# KiCad board MLU_BreakoutV2.kicad_pcb (continued)
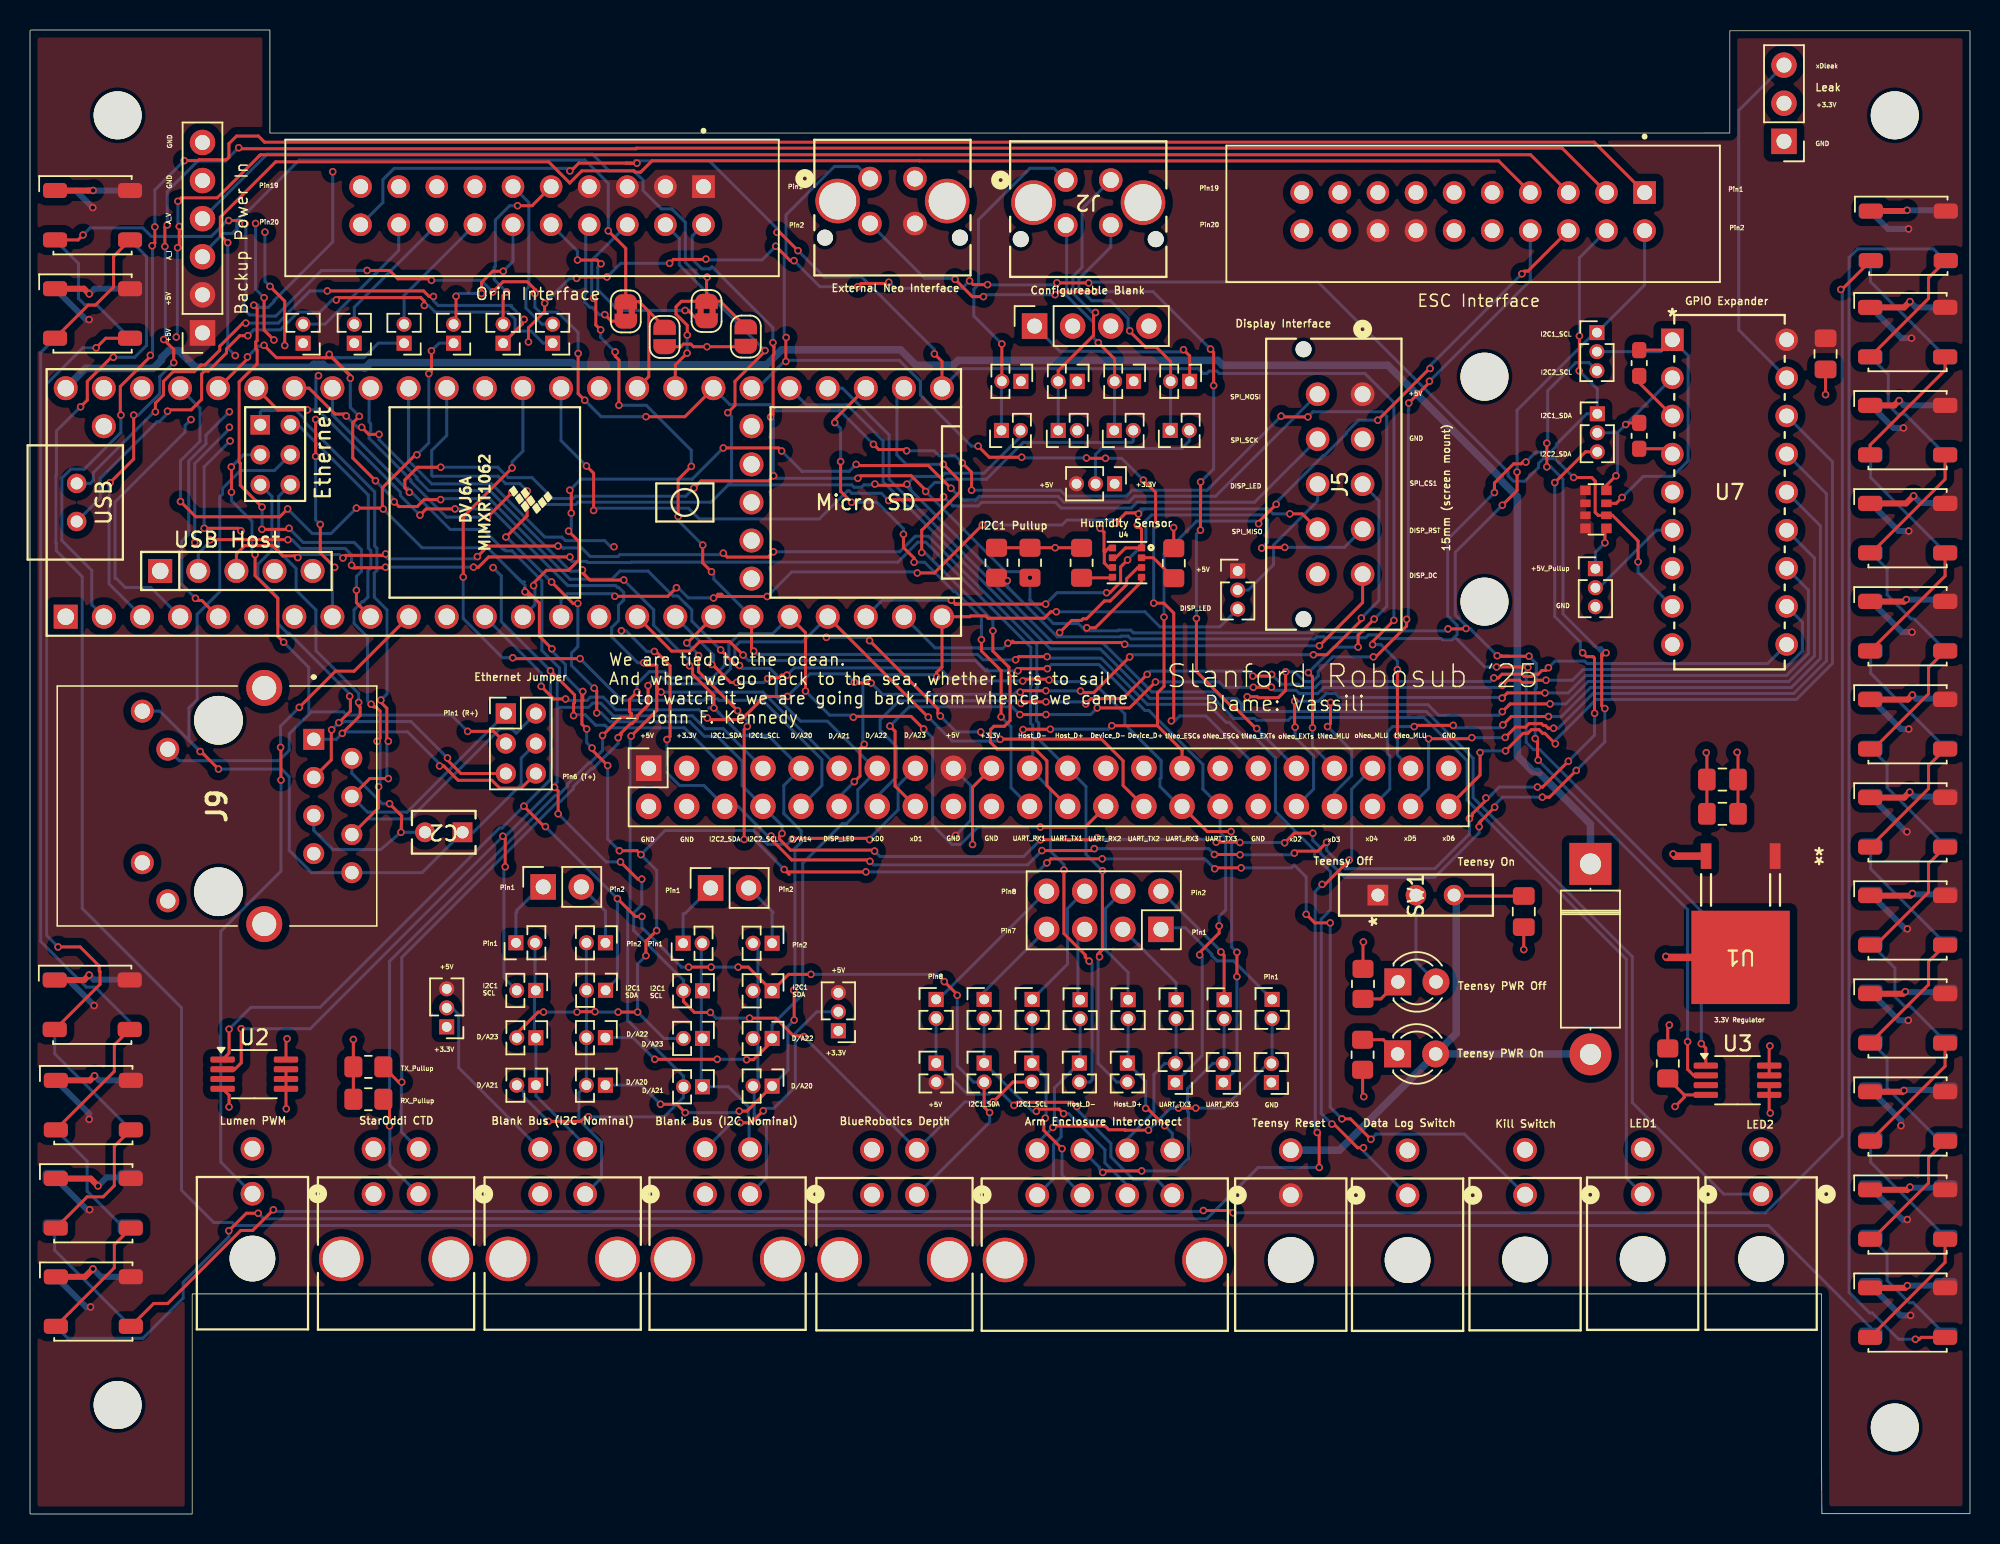
[diagram p0: board, top side]
## Routing (per net, layer and track width the routed paths; a pad name or vN(x,y) marks a point on that pad's centre or on a via; arc(x,y) is an arc through that point) (continued)
SPI_SCK: length 61.2
  Top w0.2: v1(57.24,67.58) 57.3,67.63 60.7,67.63 v1(60.9,67.84) ; v1(37.09,69.89) 37.57,69.41 v1(37.57,66.92)
  Bottom w0.2: v1(60.9,67.84) 61.52,67.22 63.21,67.22 63.45,67.46 68.37,67.46 68.75,67.08 73.42,67.08 73.81,67.47 81.64,67.47 J5.7 ; v1(57.24,67.58) 56.76,68.07 54.77,68.07 54.61,68.23 54.5,68.23 52.63,66.35 44.61,66.35 43.9,67.07 37.72,67.07 v1(37.57,66.92) ; U6.35 35.4,71.58 v1(37.09,69.89)
T+: length 36.7
  Top w0.2: v1(21.91,54.12) 21.91,53.89 22.01,53.79 22.01,53.25 v1(20.82,52.06) ; J10.6 32.75,48.4 31.32,48.4 30.8,48.93 28.54,48.93 27.59,49.88 v1(27.3,49.88)
  Bottom w0.2: U6.63 16.58,67.86 16.58,64.21 17.74,63.04 17.74,61.61 19.06,60.29 19.06,57.57 21.91,54.72 v1(21.91,54.12) ; J9.1 20.42,51.66 v1(20.82,52.06) 20.92,52.16 25.17,52.16 27.3,50.03 v1(27.3,49.88)
T-: length 36.3
  Top w0.2: J9.3 20.08,50.29 20.08,52.27 v1(20.11,52.29) ; J10.5 28.73,49.38 27.83,50.27 v1(27.83,50.41) ; v1(21.31,54.53) 21.36,54.48 21.36,53.54 v1(20.59,52.77)
  Bottom w0.2: v1(21.31,54.53) 21.31,54.69 17.26,58.73 17.17,58.73 16.52,59.38 16.52,61.11 15.2,62.43 15.2,63.34 16.13,64.27 16.13,67.86 U6.62 ; v1(20.59,52.77) v1(20.11,52.29) ; 20.86,52.77 20.92,52.84 25.41,52.84 v1(27.83,50.41)
Teensy_5V: length 130.8
  Bottom w0.5: D1.1 104.03,46 100.52,49.52 100.2,49.52 99.16,50.55 99.16,67.83 97.99,69 97.99,69.15 90.52,76.61 79.51,76.61 79.19,76.93 61.88,76.93 61.56,76.61 59.06,76.61 58.04,77.63 50.11,77.63 49.11,76.64 36.3,76.64 36.16,76.78 22.7,76.78 ; 22.7,76.78 22.38,76.46 19.75,76.46 19.54,76.66 18.92,76.66 18.72,76.46 11.03,76.46 9.91,77.58 9.25,77.58 8.77,77.1 8.77,76.95 8.21,76.39 3.7,76.39 U6.48 ; 22.7,76.78 22.32,76.39
toNEO_CTRL_ESCs: length 102.8
  Top w0.2: v1(93.34,76.39) 93.3,76.39 v1(89.85,72.94) ; v1(83.08,67.33) 81.91,66.16 v1(81.91,66.04) ; 75.16,52.57 76.8,50.93 J8.29 ; 75.16,52.57 75.16,54.75 75.6,55.19 v1(75.6,59.81) ; 75.16,52.57 v1(72.12,52.57) ; v1(55.97,58.24) 60.52,53.69 60.52,53.38 v1(60.69,53.21) ; J7.6 99.86,82.88 99.64,82.88 v1(99.46,82.7) ; v1(68.02,52.33) 66.22,52.33 v1(66.2,52.31)
  In2.Cu w0.2: v1(53.09,58.46) 44.3,58.46 43.99,58.77 43.49,58.77 42.97,58.25 29.36,58.25 U6.11 ; v1(66.2,52.31) 63.54,52.31 v1(63.38,52.15)
  Bottom w0.2: v1(83.08,67.33) 83.08,67.45 86.22,70.58 86.29,70.58 87.76,72.04 87.76,72.12 88.57,72.94 v1(89.85,72.94) ; v1(53.09,58.46) 55.75,58.46 v1(55.97,58.24) ; v1(72.12,52.57) 71.89,52.34 68.03,52.34 v1(68.02,52.33) ; v1(99.46,82.7) 93.34,76.58 v1(93.34,76.39) ; v1(81.91,66.04) 81.74,66.21 77.78,66.21 75.6,64.03 v1(75.6,59.81) ; v1(60.69,53.21) 61.75,52.15 v1(63.38,52.15)
toNEO_CTRL_EXTs: length 72.3
  Top w0.2: v1(74.23,68.94) 75.04,68.13 v1(75.04,65.97) ; v1(74.91,60.74) 75.59,60.74 76.25,60.08 76.25,53.05 v1(76.09,52.89) ; v1(50.39,76.85) 50.39,78.43 v1(50.41,78.46) ; v1(70.43,70.42) 70.45,70.4 v1(71.7,70.4) ; v1(66.11,70.47) 63.95,70.47 v1(63.21,71.21)
  Bottom w0.2: v1(74.91,60.74) 74.91,65.84 v1(75.04,65.97) ; v1(71.7,70.4) 72.77,70.4 v1(74.23,68.94) ; J8.33 78.39,53.22 76.64,53.22 76.31,52.89 v1(76.09,52.89) ; v1(50.41,78.46) 50.28,78.59 50.28,83.85 50.4,83.97 50.4,86.63 53.63,89.86 55.19,89.86 J4.1 ; v1(66.11,70.47) 66.16,70.42 v1(70.43,70.42) ; 48.5,75.07 50.28,76.85 v1(50.39,76.85) 50.47,76.93 57.96,76.93 59.36,75.53 59.36,74.62 62.77,71.21 v1(63.21,71.21)
toNEO_CTRL_MLU: length 139.3
  Top w0.2: v1(62.77,68.27) 62.77,69.47 v1(62.15,70.09) ; v1(36.54,77.39) 36.54,74.71 v1(36.98,74.27) ; v1(85.5,52.43) 85.5,55.83 v1(85.22,56.11) ; 33.7,81.63 33.8,81.53 ; 33.7,81.63 33.66,81.6 v1(33.66,81.39) ; 33.7,81.63 33.16,82.17 31.53,82.17 v1(30.85,81.49) ; U6.31 43.66,73.18 v1(41.07,73.18) ; v1(83.41,73.21) 83.46,73.16 v1(85.19,73.16) ; v1(58.44,70.9) 58.36,70.98 56.58,70.98 v1(56.23,71.33) ; v1(14.34,86.04) 14.13,86.25 v1(13.24,86.25) ; v1(22.47,82.93) 23.97,82.93 24.53,82.37 26.66,82.37 v1(26.76,82.27) ; v1(88.54,57.81) 88.54,58.61 v1(89.61,59.68) ; LED1.2 3.2,84.96 v1(3.53,85.29)
  Bottom w0.2: v1(89.61,59.68) 90.45,60.52 90.45,73.19 90.14,73.5 85.53,73.5 v1(85.19,73.16) ; v1(3.53,85.29) 4,85.76 7.53,85.76 8.09,85.19 12.09,85.19 13.15,86.25 v1(13.24,86.25) ; v1(83.41,73.21) 78.47,68.27 73.48,68.27 73.09,67.88 69.08,67.88 68.69,68.27 v1(62.77,68.27) ; v1(30.85,81.49) 30.07,82.27 v1(26.76,82.27) ; v1(56.23,71.33) 53.99,73.57 49.72,73.57 49.32,73.97 46.66,73.97 U6.31 ; v1(36.54,77.39) 36.54,78.79 35.19,80.14 34.51,80.14 34.46,80.09 34.04,80.09 33.66,80.47 v1(33.66,81.39) ; v1(36.98,74.27) 38.08,73.18 v1(41.07,73.18) ; v1(85.22,56.11) 86.93,57.81 v1(88.54,57.81) ; v1(62.15,70.09) 61.68,70.56 60.61,70.56 60.27,70.9 v1(58.44,70.9) ; J8.37 85.5,51.19 v1(85.5,52.43) ; v1(22.47,82.93) 19.43,82.93 16.39,79.88 15.22,79.88 15.14,79.96 14.65,79.96 14.27,80.34 14.27,80.88 14.39,81.01 14.39,85.99 v1(14.34,86.04)
toNEO_CTRL_Orin: length 108.8
  Top w0.2: 39.74,90.08 40.12,90.08 ; 39.74,90.08 36.59,90.08 36.07,89.56 v1(35.99,89.56) ; 39.74,90.08 39.74,90.08 v1(40.46,90.08) ; v1(60.29,77.36) 60.8,76.85 U6.25 ; v1(49.8,85.47) 49.98,85.47 v1(51.2,84.25) ; v1(90.93,59.59) 89.51,58.17 v1(89.51,57.98) ; v1(91.16,51.91) v1(91.16,56.3)
  Bottom w0.2: v1(89.51,57.98) 90.06,57.98 91.16,56.88 v1(91.16,56.3) ; v1(91.16,51.91) 91.16,50.61 J8.41 ; v1(35.99,89.56) 35.82,89.73 35.44,89.73 ; U6.25 62.11,76.38 77.89,76.38 78.21,76.06 78.46,76.06 78.62,76.22 79.12,76.22 79.28,76.06 88.99,76.06 90.93,74.12 v1(90.93,59.59) ; 35.44,89.73 36.24,89.73 ; 35.44,89.73 24.28,89.73 23.53,88.98 23.53,87.46 J13.20 ; v1(51.2,84.25) 52.96,82.49 55.45,82.49 60.29,77.65 v1(60.29,77.36) ; v1(40.46,90.08) 40.33,90.21 40.33,90.24 45.28,90.24 49.85,85.67 49.85,85.52 v1(49.8,85.47)
UART_RX1: length 38.8
  Top w0.2: v1(64.19,58.89) 64.19,57.54 65.26,56.47 65.26,55.98 65.34,55.9 65.34,52.91 64.96,52.53 64.26,52.53 64.03,52.3 64.03,51.46 64.48,51.01 67,51.01 67.79,50.22 67.79,48.58 J8.24 ; v1(59.45,64.12) 59.45,65.6 62,68.15 62,68.88 v1(60.89,69.99)
  Bottom w0.2: v1(60.89,69.99) 58.43,69.99 57.79,70.63 57.79,74.6 ; v1(59.45,64.12) 59.66,64.12 64.19,59.58 v1(64.19,58.89)
UART_RX2: length 90.8
  Top w0.2: J8.26 70.35,45.81 v1(67.36,45.81) ; v1(54.89,53.13) 54.95,53.19 58.74,53.19 v1(59.58,52.35) ; U6.20 51.7,58.77 v1(51.7,54.88) ; v1(38.17,51.92) 39.36,53.1 39.97,53.1 40.09,53.22 40.09,53.38 39.97,53.5 39.97,54.31 v1(40.47,54.81) ; v1(23.97,25.88) 23.97,27.25
  Bottom w0.2: v1(67.36,45.81) 63.2,45.81 62.04,44.65 61.46,44.65 60.17,45.94 60.17,51.76 v1(59.58,52.35) ; v1(40.47,54.81) 40.47,55.35 41.29,56.17 42.33,56.17 42.74,55.76 45.48,55.76 46.3,56.58 46.3,57 46.59,57.29 46.59,58 47.3,58.71 49.51,58.71 U6.20 ; v1(54.89,53.13) 54.75,53.27 53.31,53.27 v1(51.7,54.88) ; v1(38.17,51.92) 38.17,50.91 37.35,50.09 37.25,50.09 35.82,48.67 35.82,48.53 35.2,47.91 35.01,47.91 23.97,36.87 v1(23.97,25.88) 23.99,25.86 23.99,23.25 J18.1
UART_RX3: length 64.2
  Top w0.2: v1(80.46,35.83) v1(80.46,37.46) ; v1(66.18,55.55) 66.3,55.67 67.79,55.67 ; 45.72,56.43 46.7,55.45 v1(47.12,55.45) ; 45.72,56.43 45.5,56.65 v1(45.45,56.65) ; 45.72,56.43 45.57,56.58 ; v1(80.07,45.51) 78.48,45.51 J8.30 ; v1(50.46,55.94) 50.09,55.94 49.92,55.77 49.24,55.77
  Bottom w0.2: v1(80.07,45.51) 80.11,45.47 80.11,37.81 v1(80.46,37.46) ; v1(50.46,55.94) 50.94,56.42 60.63,56.42 61.35,55.7 62.77,55.7 62.91,55.55 v1(66.18,55.55) ; v1(80.46,35.83) 80.46,29.68 JP32.1 ; U6.17 45.57,57.28 ; 45.57,57.28 45.45,57.16 v1(45.45,56.65) ; 45.57,57.28 45.57,56.58 ; v1(67.94,55.62) 68.05,55.51 70.83,55.51 72.99,53.35 72.99,52.66 75.41,50.24 75.41,49.09 75.33,49.01 75.33,48.51 76.66,47.19 ; 48.93,55.45 v1(49.18,55.71) ; 48.93,55.45 v1(47.12,55.45) ; 48.93,55.45 49.24,55.77
UART_TX1: length 35.6
  Top w0.2: v1(58.23,65.33) 58.23,64.45 58.94,63.74 v1(58.94,63.47) ; v1(53.65,72.78) 53.65,73 U6.27 ; v1(64.74,53.16) 64.74,56.24 63.43,57.55 v1(63.43,58.3) ; v1(54.04,70.18) 54.04,68.2 v1(54.77,67.47)
  Bottom w0.2: v1(64.74,53.16) 65.4,52.5 65.4,48.43 J8.22 ; v1(63.43,58.3) 63.43,59.78 61.67,61.53 61.57,61.53 59.64,63.47 v1(58.94,63.47) ; v1(54.77,67.47) 56.47,67.47 58.23,65.7 v1(58.23,65.33) ; v1(54.04,70.18) 54.04,72.39 v1(53.65,72.78)
UART_TX2: length 83
  Top w0.2: R8.1 24.58,28.8 v1(24.78,28.8) ; v1(59.89,53.14) 59.87,53.14 U6.21 ; 39.41,52.08 39.41,51.97 v1(39.21,51.77) ; 39.41,52.08 40.03,52.7 40.13,52.7 40.49,53.05 40.49,53.23 41.21,53.95 v1(41.21,55.24) ; 39.41,52.08 39.21,51.88 ; v1(64.68,51.66) 64.7,51.68 71.42,51.68 72.87,50.23 72.87,48.58 J8.28
  Bottom w0.2: J18.3 24.76,25.48 24.76,28.77 v1(24.78,28.8) 24.78,37.11 35.18,47.51 35.36,47.51 36.22,48.37 36.22,48.5 37.42,49.69 37.52,49.69 39.21,51.39 39.21,51.53 ; 39.21,51.53 v1(39.21,51.77) ; 39.21,51.53 39.21,51.88 ; v1(41.21,55.24) 41.21,55.31 41.66,55.77 42.16,55.77 42.57,55.36 45.69,55.36 46.7,56.37 46.7,56.83 46.99,57.12 46.99,57.83 47.31,58.15 51.5,58.15 U6.21 ; v1(64.68,51.66) 64.56,51.54 61.49,51.54 v1(59.89,53.14)
UART_TX3: length 66.2
  Top w0.2: U6.16 42.77,57.54 44.01,57.54 44.64,58.17 46.65,58.17 v1(47.54,57.28) ; v1(79.28,39.21) 79.28,38.74 77.98,37.44 v1(77.98,37.29) ; v1(67.82,56.37) 66,56.37 v1(65.86,56.23)
  Bottom w0.2: 63.9,56.23 63.79,56.34 ; 63.9,56.23 v1(65.86,56.23) ; 63.9,56.23 63.7,56.23 63.02,56.91 47.91,56.91 v1(47.54,57.28) ; v1(79.28,39.21) 79.28,39.85 79.71,40.28 79.71,45.09 79.34,45.46 J8.32 78.19,48.34 78.19,49.98 74.59,53.58 74.33,53.58 71.26,56.65 68.1,56.65 v1(67.82,56.37) ; v1(77.98,37.29) 78.15,37.12 78.15,30.56 JP33.1
xD0: length 70.1
  Top w0.2: v1(101.23,56.44) 101.05,56.25 100.8,56.25 100.55,56 100.26,56 100.11,55.85 99.61,55.85 99.47,56 98.14,56 97.9,55.76 v1(97.59,55.76) ; v1(70.39,54.02) 70.74,54.37 72.86,54.37 v1(74.48,55.99) ; v1(66.07,54.05) 66.18,54.16 v1(67.73,54.16) ; v1(82.78,55.98) 82.67,55.88 v1(81.52,55.88)
  Bottom w0.2: v1(66.07,54.05) 65.89,54.23 57.95,54.23 56.68,52.96 56.68,52.27 57.75,51.2 57.75,49.13 56.48,47.86 ; v1(70.39,54.02) 70.25,54.16 v1(67.73,54.16) ; v1(101.23,56.44) 101.66,56.87 103.66,56.87 103.81,56.71 115.84,56.71 U7.10 ; v1(81.52,55.88) 81.18,56.21 74.7,56.21 v1(74.48,55.99) ; v1(82.78,55.98) 83.43,55.33 84.58,55.33 84.8,55.11 85.67,55.11 86.08,55.52 97.36,55.52 v1(97.59,55.76)
xD1: length 73.6
  Top w0.2: v1(66,53.31) 66,53.31 v1(67.73,53.31) ; v1(81.56,55.13) 82.75,55.13 v1(82.76,55.13) ; v1(71.15,53.76) 73.3,53.76 v1(75.03,55.48) ; v1(101.07,55.6) 100.42,55.6 100.28,55.45 99.45,55.45 99.3,55.6 98.5,55.6 v1(98.16,55.26) ; J8.16 57.67,48.54 57.67,52.2 v1(57.33,52.54)
  Bottom w0.2: v1(98.16,55.26) 98.02,55.12 86.25,55.12 85.84,54.71 84.63,54.71 84.41,54.93 82.96,54.93 v1(82.76,55.13) ; v1(75.03,55.48) 79.26,55.48 79.62,55.13 v1(81.56,55.13) ; U7.11 118.16,59.47 118.16,57.55 116.93,56.31 103.54,56.31 102.83,55.6 v1(101.07,55.6) ; v1(66,53.31) 65.47,53.83 58.62,53.83 v1(57.33,52.54) ; v1(71.15,53.76) 70.71,53.31 v1(67.73,53.31)
xD2: length 50.1
  Top w0.2: v1(98.14,54.41) 98.49,54.75 v1(101,54.75) ; v1(84.31,54.2) 84.31,52.5 v1(84.34,52.47)
  Bottom w0.2: v1(84.34,52.47) 84.34,51.78 85.57,50.55 85.57,48.34 J8.36 ; v1(84.31,54.2) 85.9,54.2 86.42,54.72 87.02,54.72 87.29,54.45 98.1,54.45 v1(98.14,54.41) ; U7.12 118.56,61.61 118.56,57.38 117.09,55.91 103.71,55.91 102.55,54.75 v1(101,54.75)
xD3: length 51.6
  Top w0.2: v1(101.34,54.02) 98.68,54.02 v1(98.16,53.5) ; v1(86.5,52.51) 86.7,52.71 v1(86.7,54.12)
  Bottom w0.2: v1(101.34,54.02) 102.38,54.02 103.87,55.51 117.26,55.51 118.96,57.22 118.96,63.75 U7.13 ; v1(98.16,53.5) 97.91,53.26 93.91,53.26 93.2,53.97 86.93,53.97 86.78,54.12 v1(86.7,54.12) ; J8.38 86.96,48.1 88.11,49.25 88.11,50.9 v1(86.5,52.51)
xD4: length 48.6
  Top w0.2: v1(92.28,52.51) 92.36,52.59 v1(94.88,52.59) ; v1(98.19,52.62) 98.75,53.18 v1(101.23,53.18)
  Bottom w0.2: v1(92.28,52.51) 90.84,52.51 90.51,52.18 90.51,50.69 90.65,50.55 90.65,48.34 J8.40 ; v1(101.23,53.18) 102.1,53.18 104.04,55.11 117.42,55.11 119.36,57.05 119.36,65.89 U7.14 ; v1(98.19,52.62) 98,52.43 95.04,52.43 v1(94.88,52.59)
xD5: length 48.8
  Top w0.2: v1(93.24,51.7) 96.05,51.7 v1(96.12,51.77) ; v1(98.35,51.78) 99.03,52.47 99.7,52.47 99.93,52.71 100.76,52.71 100.89,52.58 101.03,52.58 101.22,52.4 v1(101.57,52.4)
  Bottom w0.2: v1(93.24,51.7) 93.24,48.39 J8.42 ; v1(101.57,52.4) 101.89,52.4 104.2,54.71 117.59,54.71 119.76,56.89 119.76,68.03 U7.15 ; v1(96.12,51.77) 98.33,51.77 v1(98.35,51.78)
xD6: length 49.1
  Top w0.2: v1(96.67,50.78) 96.67,49.28 J8.44 ; v1(98.37,50.89) 99.54,52.06 99.85,52.06 100.1,52.31 100.6,52.31 100.84,52.06 100.99,52.06 v1(101.69,51.36)
  Bottom w0.2: v1(96.67,50.78) 96.78,50.89 v1(98.37,50.89) ; U7.16 120.16,70.17 120.16,56.72 117.76,54.31 104.4,54.31 101.69,51.6 v1(101.69,51.36)
xDleak: length 23.4
  Bottom w0.2: J3.3 113.92,93.6 113.92,78.95 U7.17
Net-(C2-Pad2): length 15.9
  Top w0.2: v1(23.97,47.37) 24.78,46.55 v1(24.73,45.46)
  Bottom w0.2: J9.2 21.46,49.4 23.49,47.37 v1(23.97,47.37) ; C2.2 v1(24.73,45.46) 23.38,44.31 20.2,44.31 18.92,45.59 J9.5
Net-(D1-A): length 38.2
  Top w0.2: C1.1 95,41.21
  Bottom w0.5: 95.08,41.12 95.08,32.05 D3.2 ; J6.2 87.3,24.26 D3.2 ; D3.2 104.01,30.68
Net-(D2-A): length 6.3
  Bottom w0.2: D2.2 92.4,36.82 SW1.2
Net-(D2-K): length 2.8
  Top w0.2: R6.1 90.06,34.35 D2.1
Net-(D3-K): length 2.7
  Top w0.2: R7.1 90.23,31.63 D3.1
Net-(J14-Pin_1): length 4.4
  Bottom w0.2: 34.02,41.82 32.45,40.25 32.45,40.13 32.4,40.07 JP22.1
Net-(J14-Pin_2): length 4.4
  Bottom w0.2: JP21.1 38.36,40.21 36.75,41.82
Net-(J27-Pin_1): length 9.3
  Bottom w0.2: 75.5,39.1 77.02,39.1 78.79,37.32 78.79,37.23 79.14,36.88 80.25,36.88 JP31.1
Net-(J27-Pin_2): length 9
  Top w0.2: JP30.1 79.61,37.26 v1(79.39,37.48)
  Bottom w0.2: J27.2 79.39,37.53 v1(79.39,37.48)
Net-(J27-Pin_3): length 6.2
  Bottom w0.2: J27.3 76.41,35.43 JP29.1
Net-(J27-Pin_4): length 8.3
  Bottom w0.2: JP28.1 73.21,36.11 71.71,37.61 71.71,40.38 J27.4
Net-(J27-Pin_5): length 4.1
  Bottom w0.2: 69.86,34.44 69.86,38.53
Net-(J27-Pin_6): length 8.7
  Bottom w0.2: JP26.1 69.17,36.67 69.17,40.38 J27.6
Net-(J27-Pin_7): length 6.4
  Bottom w0.2: J27.7 63.61,34.82 JP25.1
Net-(J27-Pin_8): length 10.2
  Bottom w0.2: 60.56,34.32 J27.8
Net-(J28-Pin_1): length 13
  Top w0.2: JP44.1 77.31,77.23 v1(76.9,77.64)
  Bottom w0.2: J28.1 68.66,77.53 71.48,77.53 71.52,77.49 76.75,77.49 v1(76.9,77.64)
Net-(J28-Pin_2): length 6.3
  In2.Cu w0.2: JP43.1 72.78,76.33 71.19,76.33 69.51,78.01 J28.2
Net-(J28-Pin_3): length 4.6
  In1.Cu w0.2: JP42.1 72.05,77.77 J28.3
Net-(J28-Pin_4): length 12.4
  In1.Cu w0.2: J28.4 73.09,80.72 69.39,80.72 68.12,79.45 68.12,77.6 JP67.1
Net-(J31-Pin_1): length 4.5
  Bottom w0.2: J31.1 43.68,40.05 43.58,40.05 43.54,40.01 JP12.1
Net-(J31-Pin_2): length 4.4
  Bottom w0.2: JP13.1 49.47,40.02 49.52,40.08 49.52,40.14 J31.2
Net-(JP2-C): length 9.3
  Bottom w0.2: JP2.2 71.04,70.65 71.44,71.06 76.79,71.06 77.29,71.55 JP48.2
Net-(JP3-B): length 23.2
  Top w0.2: v1(69.79,27.17) 69.51,27.46 65.81,27.46 v1(65.6,27.25)
  Bottom w0.2: v1(65.6,27.25) 64.77,28.08 64.02,28.08 63.94,28 62.48,28 JP34.1 JP3.2 ; J26.1 75.12,22.3 73.58,22.3 72.06,23.81 72.06,24.71 69.79,26.98 v1(69.79,27.17)
Net-(JP5-A): length 8.2
  Top w0.2: JP5.1 38.76,79.54 v1(38.32,79.98)
  Bottom w0.2: v1(38.32,79.98) 37.96,79.98 37.47,80.47 37.32,80.47 36.97,80.82 36.97,81.32 37.05,81.4 37.05,85.74
Net-(JP6-A): length 14.5
  Top w0.2: v1(43.67,80.26) 43.88,80.26 44,80.13 ; 44,80.13 44.57,79.57 ; 44,80.13 43.86,80.28 ; v1(38.07,83.37) 37.82,83.62 v1(36.5,83.62)
  Bottom w0.2: v1(38.07,83.37) 37.85,83.16 37.85,81.63 39.23,80.26 43.84,80.26 ; v1(36.5,83.62) 36.5,84.21 J13.10
Net-(JP8-C): length 23
  Top w0.2: U7.1 108.8,77.61 C4.1 ; v1(106.14,67.79) 105.75,67.39 RN1.3
  Bottom w0.2: v1(106.14,67.79) 107.54,69.19 109.5,69.19 110.54,70.23 110.54,77.25 U7.1 108.7,77.51 JP8.2
Net-(JP9-C): length 11.6
  Top w0.2: C5.1 106.49,72.76 v1(106.38,72.65) ; RN1.4 105.1,68.6 v1(105.73,69.23)
  Bottom w0.2: 105.83,72.1 v1(106.38,72.65) U7.2 ; 105.83,72.1 JP9.2 ; 105.83,72.1 105.83,69.33 v1(105.73,69.23)
Net-(JP10-A): length 2.8
  Top w0.2: v1(105,64.76) 105,65.62
  Bottom w0.2: v1(105,64.76) 104.36,64.13 JP10.1
Net-(JP10-C): length 6.5
  Bottom w0.2: 104.6,61.77 108.43,65.6 U7.6
Net-(JP11-A): length 15.7
  Bottom w0.2: 47.94,24.54 47.94,26.42 47.88,26.48 47.88,27.17 46.57,28.49 JP60.1 ; 44.76,38.01 44.76,28.57
Net-(JP13-B): length 17.6
  Bottom w0.2: 48.28,28.35 48.28,26.64 49.09,25.83 49.09,22.41 J19.1 ; JP13.2 48.52,37.74 48.52,28.86 JP16.2
Net-(JP17-C): length 14.8
  Top w0.2: v1(48.88,26.89) 48.08,26.09 v1(47.34,26.09)
  Bottom w0.2: JP17.2 52.45,33.49 51.02,32.06 51.02,28.49 49.58,27.05 49.04,27.05 v1(48.88,26.89) ; J19.4 46.77,26.09 v1(47.34,26.09)
Net-(JP18-B): length 18
  Bottom w0.2: JP20.2 JP19.2 36.59,28.09 36.59,26.29 38.1,24.78 38.1,22.42 J11.1 ; JP18.2 37.1,31.77 ; JP21.2 37.09,34.93
Net-(JP22-B): length 14.6
  Bottom w0.2: JP57.1 JP24.1 33.72,27.89 37.01,24.6 ; JP22.2 33.67,34.96 ; 33.63,31.89 33.63,34.83
Net-(JP25-B): length 16.5
  Top w0.2: v1(68.9,26.7) 68.61,27 67.23,27 v1(67.09,26.86)
  Bottom w0.2: v1(67.09,26.86) 66.83,26.86 JP35.1 JP25.2 ; 73.15,21.92 71.66,23.41 71.66,24.29 69.25,26.7 v1(68.9,26.7)
Net-(JP26-B): length 13.3
  Top w0.2: v1(68.8,24.36) 67.59,25.57 67.59,26.3 v1(67.69,26.4)
  Bottom w0.2: J26.3 68.8,22.61 v1(68.8,24.36) ; v1(67.69,26.4) 67.74,26.45 67.74,29.12 JP36.1 ; JP26.2 66.81,30.1
Net-(JP27-B): length 13.2
  Bottom w0.2: JP37.1 68.29,28.41 68.29,26.45 68.74,26 68.74,25.15 68.24,24.65 68.24,22.35 J26.4 ; JP27.2 70.01,30.12
Net-(JP28-B): length 10
  Top w0.2: v1(75.64,25.89) 74.49,27.05 v1(74.38,27.05)
  Bottom w0.2: v1(75.64,25.89) 76.15,25.39 J26.5 ; JP28.2 73.21,30.12 ; JP39.1 74.38,28.85 v1(74.38,27.05)
Net-(JP29-B): length 10.5
  Bottom w0.2: JP29.2 76.41,30.09 ; J26.6 73.15,25.01 74.93,26.79 74.93,29.32 75.65,30.04 JP33.2
Net-(JP30-B): length 18.8
  Top w0.2: v1(74.11,22.88) 71.62,22.88 v1(71.52,22.78)
  Bottom w0.2: JP30.2 79.61,30.1 ; J26.7 71.29,23.12 71.29,23.01 v1(71.52,22.78) ; v1(74.11,22.88) 76.4,22.88 77.24,23.72 77.24,26.77 77.17,26.84 77.17,28.36 78.85,30.05 JP32.2
Net-(JP31-B): length 20.8
  Top w0.2: v1(68.19,25.78) 68.29,25.88 71.67,25.88 71.93,25.62 72.99,25.62 73.02,25.6 v1(74.57,25.6) ; v1(77.72,27.07) v1(76.57,27.07)
  Bottom w0.2: JP31.2 82.81,30.09 ; v1(76.57,27.07) 76.04,27.07 v1(74.57,25.6) ; 82.54,30.04 79.57,27.07 v1(77.72,27.07) ; v1(68.19,25.78) 67.15,24.73
Net-(JP40-C): length 9.7
  Bottom w0.2: JP40.2 81.22,61.61 82.91,63.3 82.91,64.62 85.84,67.56 J5.8
Net-(JP41-B): length 10.8
  Bottom w0.2: J13.11 33.25,87.46 33.25,81.83 33.06,81.64 33.06,80.42 34.13,79.34 JP41.2
Net-(JP42-B): length 20.3
  Top w0.2: 70.9,79.41 70.9,80.13 70.94,80.17 ; 70.9,79.41 70.9,79.99 v1(71.03,80.12) ; 70.9,79.41 70.9,78.6 68.55,76.24 JP42.2
  Bottom w0.2: JP42.2 JP46.1 ; J2.2 70.14,87.04 70.14,83.13 69.53,82.52 69.53,81.41 70.77,80.17 70.99,80.17 v1(71.03,80.12)
Net-(JP43-B): length 15
  Top w0.2: v1(71.22,78.11) 72.31,77.03 JP43.2
  Bottom w0.2: 69.11,85.89 69.11,81.24 70.9,79.45 70.9,78.43 71.3,78.04 ; JP43.2 72.31,72.28
Net-(JP44-B): length 18.1
  Top w0.2: v1(73.31,78.9) 73.31,78.87 74.38,77.8 75.09,77.8 76.04,76.86 JP44.2
  Bottom w0.2: JP44.2 76.04,72.28 ; 73.2,78.93 73.2,79.73 72.03,80.91 70.78,80.91 69.93,81.76 69.93,82.36 72.05,84.48 J2.4
Net-(JP45-A): length 22.5
  Top w0.2: 64.79,75.53 v1(64.79,78.02)
  Bottom w0.2: J2.1 68.26,89.74 66.66,89.74 63.24,86.31 63.24,81.99 62.92,81.67 62.92,79.89 v1(64.79,78.02) ; JP45.1 64.76,75.51
Net-(JP49-B): length 12
  Top w0.2: JP49.2 31.54,81.26 v1(31.77,81.49) ; J13.9 33.47,87.24 v1(32.51,87.24)
  Bottom w0.2: v1(32.51,87.24) 31.98,87.24 31.03,86.29 31.03,83.2 30.95,83.12 30.95,82.31 v1(31.77,81.49)
Net-(JP50-B): length 9.3
  Top w0.2: v1(30.11,81.39) 30.11,82.13 30.85,82.87 v1(31.55,82.87) ; v1(28.4,81.2) 28.4,79.51
  Bottom w0.2: v1(30.11,81.39) 28.59,81.39 v1(28.4,81.2) ; J13.12 32.2,83.52 v1(31.55,82.87)
Net-(JP51-B): length 8.6
  Bottom w0.2: JP51.2 24.94,81.25 J13.14
Net-(JP52-B): length 8.9
  Bottom w0.2: JP52.2 21.62,80.47 J13.16
Net-(JP53-B): length 10.1
  Bottom w0.2: J13.18 24.58,84.26 19.67,79.34 JP53.2
Net-(JP58-C): length 11.9
  Bottom w0.2: J11.4 28.58,29.76 28.58,33.31 28.14,33.75
Net-(LED1-DOUT): length 8.9
  Top w0.2: LED2.2 3.88,80.61 4.36,80.61 5.57,81.82 5.57,83.86 LED1.4
Net-(LED2-DOUT): length 53.5
  Top w0.2: v1(1.87,37.82) 3.35,37.82 4.62,36.55 4.62,36.21 4.67,36.16 4.67,35.32 LED3.2 ; v1(4.41,77.77) 5.05,78.41 LED2.4
  Bottom w0.2: v1(4.41,77.77) 3.52,77.77 1.11,75.36 1.11,38.58 v1(1.87,37.82)
Net-(LED3-DOUT): length 8.7
  Top w0.2: LED4.2 5.62,29.52 5.62,31.28 LED3.4
Net-(LED5-DOUT): length 8.6
  Top w0.2: LED5.4 5.62,17.97 5.62,16.42 LED6.2
Net-(LED6-DOUT): length 178.9
  Top w0.2: LED6.4 8.24,14.04 9.18,14.04 14.05,18.91 14.84,18.91 v1(16.22,20.29) ; v1(80.21,20.09) 80.05,20.24 v1(78.23,20.24) ; v1(120.72,81.66) 120.79,81.66 LED7.2
  Bottom w0.2: v1(80.21,20.09) 115.71,20.09 120.82,25.2 120.82,81.55 v1(120.72,81.66) ; v1(16.22,20.29) 16.34,20.17 78.16,20.17 v1(78.23,20.24)
Net-(LED7-DOUT): length 8.5
  Top w0.2: LED8.2 126.57,81.06 126.57,82.43 LED7.4
Net-(LED10-DIN): length 8.6
  Top w0.2: LED9.4 127.67,69 122.76,64.09
Net-(LED10-DOUT): length 8.6
  Top w0.2: LED10.4 127.67,62.55 LED11.2
Net-(LED11-DOUT): length 8.5
  Top w0.2: LED11.4 126.57,56.45 126.57,54.69 122.89,51.01
Net-(LED13-DOUT): length 8.5
  Top w0.2: LED13.4 126.57,43.37 126.57,41.46 123.05,37.93
Net-(LED14-DOUT): length 8.6
  Top w0.2: LED14.4 126.57,36.83 126.57,35.3 LED15.2
Net-(LED15-DOUT): length 8.6
  Top w0.2: LED15.4 127.67,29.86 LED16.2
Net-(LED17-DOUT): length 8.6
  Top w0.2: LED17.4 127.67,16.78 LED18.2
Net-(LED18-DOUT): length 83.7
  Top w0.2: v1(125.7,11.65) 125.95,11.65 126.08,11.78 LED18.4
  Bottom w0.2: v1(125.7,11.65) 124.58,11.65 122.82,13.41 122.65,13.41 121.28,14.78 121.28,83.79 121.85,84.36 126.9,84.36 LED19.2
Net-(LED19-DOUT): length 8.5
  Bottom w0.2: LED19.4 122.7,82.17 LED20.2
Net-(LED21-DOUT): length 8.6
  Bottom w0.2: LED22.2 122.71,69.11 LED21.4
Net-(LED22-DOUT): length 8.7
  Bottom w0.2: LED23.2 125.62,59.68 125.42,59.68 123.81,61.29 123.81,63.01 LED22.4
Net-(LED23-DOUT): length 8.6
  Bottom w0.2: LED24.2 122.71,56.07 LED23.4
Net-(LED25-DOUT): length 8.6
  Bottom w0.2: LED26.2 122.71,43.02 LED25.4
Net-(LED26-DOUT): length 8.8
  Bottom w0.2: LED26.4 124.33,36.4 124.33,34.49 124.96,33.86 125.35,33.86 LED27.2
Net-(LED27-DOUT): length 8.4
  Bottom w0.2: 127.23,24.98 123.81,28.4 123.81,30.4 LED27.4
Net-(LED29-DOUT): length 8.7
  Bottom w0.2: LED30.2 125.55,14.09 125.29,14.09 123.81,15.57 123.81,17.36 LED29.4
Net-(LED30-DOUT): length 187.6
  Top w0.2: v1(5.56,77.13) 5.43,77.13 3.82,75.53 3.82,74.28 v1(3.37,73.83)
  Bottom w0.2: v1(5.56,77.13) 6.98,77.13 7.77,77.92 7.77,83.86 LED31.2 ; LED30.4 122.71,12.43 115.91,19.24 13.68,19.24 13.48,19.44 12.25,19.44 10.1,21.59 10.1,33.76 3.48,40.38 3.48,62.51 1.75,64.23 1.75,64.72 1.72,64.75 1.72,69.24 1.76,69.28 1.76,72.22 v1(3.37,73.83)
Net-(LED31-DOUT): length 9.1
  Bottom w0.2: LED31.4 3.23,83.4 3.23,81.06 3.65,80.63 4.44,80.63 LED32.2
Net-(LED33-DOUT): length 8.8
  Bottom w0.2: LED34.2 1.64,30.7 LED33.4
Net-(LED34-DOUT): length 8.3
  Bottom w0.2: 6.19,19.15 3.81,21.53 3.81,23.53 LED34.4
Net-(LED35-DOUT): length 8.7
  Bottom w0.2: LED35.4 1.64,17.59 LED36.2
Net-(U4-CSB): length 2.7
  Top w0.2: R2.2 74.89,63.77 U4.2
Net-(U4-SDO): length 2
  Top w0.2: R1.2 72.12,62.43

## Copper pours and planes (outline as drawn; the poured copper is in the pictures)
+3.3V on In2.Cu: -6.56,104.79 131.11,104.79 132.17,103.73 132.17,-8.06 -2.29,-8.06 -9.76,-0.59 -9.76,101.59
+5V on Top: -1.81,105.46 133.39,105.46 133.9,104.95 133.9,-6.48 3.07,-6.48 -6.66,3.25 -6.66,100.6
GND on In1.Cu: -4.45,102.31 131.13,102.31 131.13,-4.96 129.33,-6.76 1.34,-6.76 -5.77,0.35 -5.77,100.98

## Text on the board
F.Silkscreen: Pin19 | Pin20 | RX_Pullup | TX_Pullup | +3.3V | +5V | Pin1 (R+) | D/A23 | D/A21 | Pin1 | I2C1 / SCL | Pin6 (T+) | Pin2 | I2C1 / SDA | D/A20 | D/A22 | GND | I2C2_SDA | I2C1_SDA | I2C2_SCL | I2C1_SCL | D/A14 | DISP_LED | xD0 | xD1 | Pin8 | Pin7 | UART_RX1 | Host_D- | UART_TX1 | Host_D+ | UART_RX2 | Device_D- | Device_D+ | UART_TX2 | UART_TX3 | tNeo_ESCs | UART_RX3 | oNeo_ESCs | SPI_MOSI | SPI_SCK | SPI_MISO | tNeo_EXTs | oNeo_EXTs | xD2 | tNeo_MLU | xD3 | oNeo_MLU | xD4 | xD5 | DISP_RST | DISP_DC | SPI_CS1 | xD6 | +5V_Pullup | 3.3V Regulator | xDleak | A_V | A_I | Lumen PWM | StarOddi CTD | Ethernet Jumper | Blank Bus (I2C Nominal) | External Neo Interface | BlueRobotics Depth | I2C1 Pullup | Arm Enclosure Interconnect | Configureable Blank | Humidity Sensor | Display Interface | Teensy Reset | Teensy Off | Data Log Switch | Teensy PWR On | Teensy On | Teensy PWR Off | Kill Switch | LED1 | GPIO Expander | LED2 | Leak | 15mm (screen mount) | Orin Interface | We are tied to the ocean. / And when we go back to the sea, whether it is to sail / or to watch it we are going back from whence we came / -- John F. Kennedy | ESC Interface | Backup Power In | Blame: Vassili | Stanford Robosub '25
